# Altium PCB PMSM_LCP037_V0.3.PcbDoc (part 1 of 2)
Units mil, origin at the board's own origin, x right, y up, seen from the top; angles counter-clockwise.
Board outline 6102.36 x 5157.48 mil, 2 copper layers (Top Layer, Bottom Layer); 134 components, 72 nets, 340 pads, 815 vias.
Unrouted connection lines stored in the file: 2.
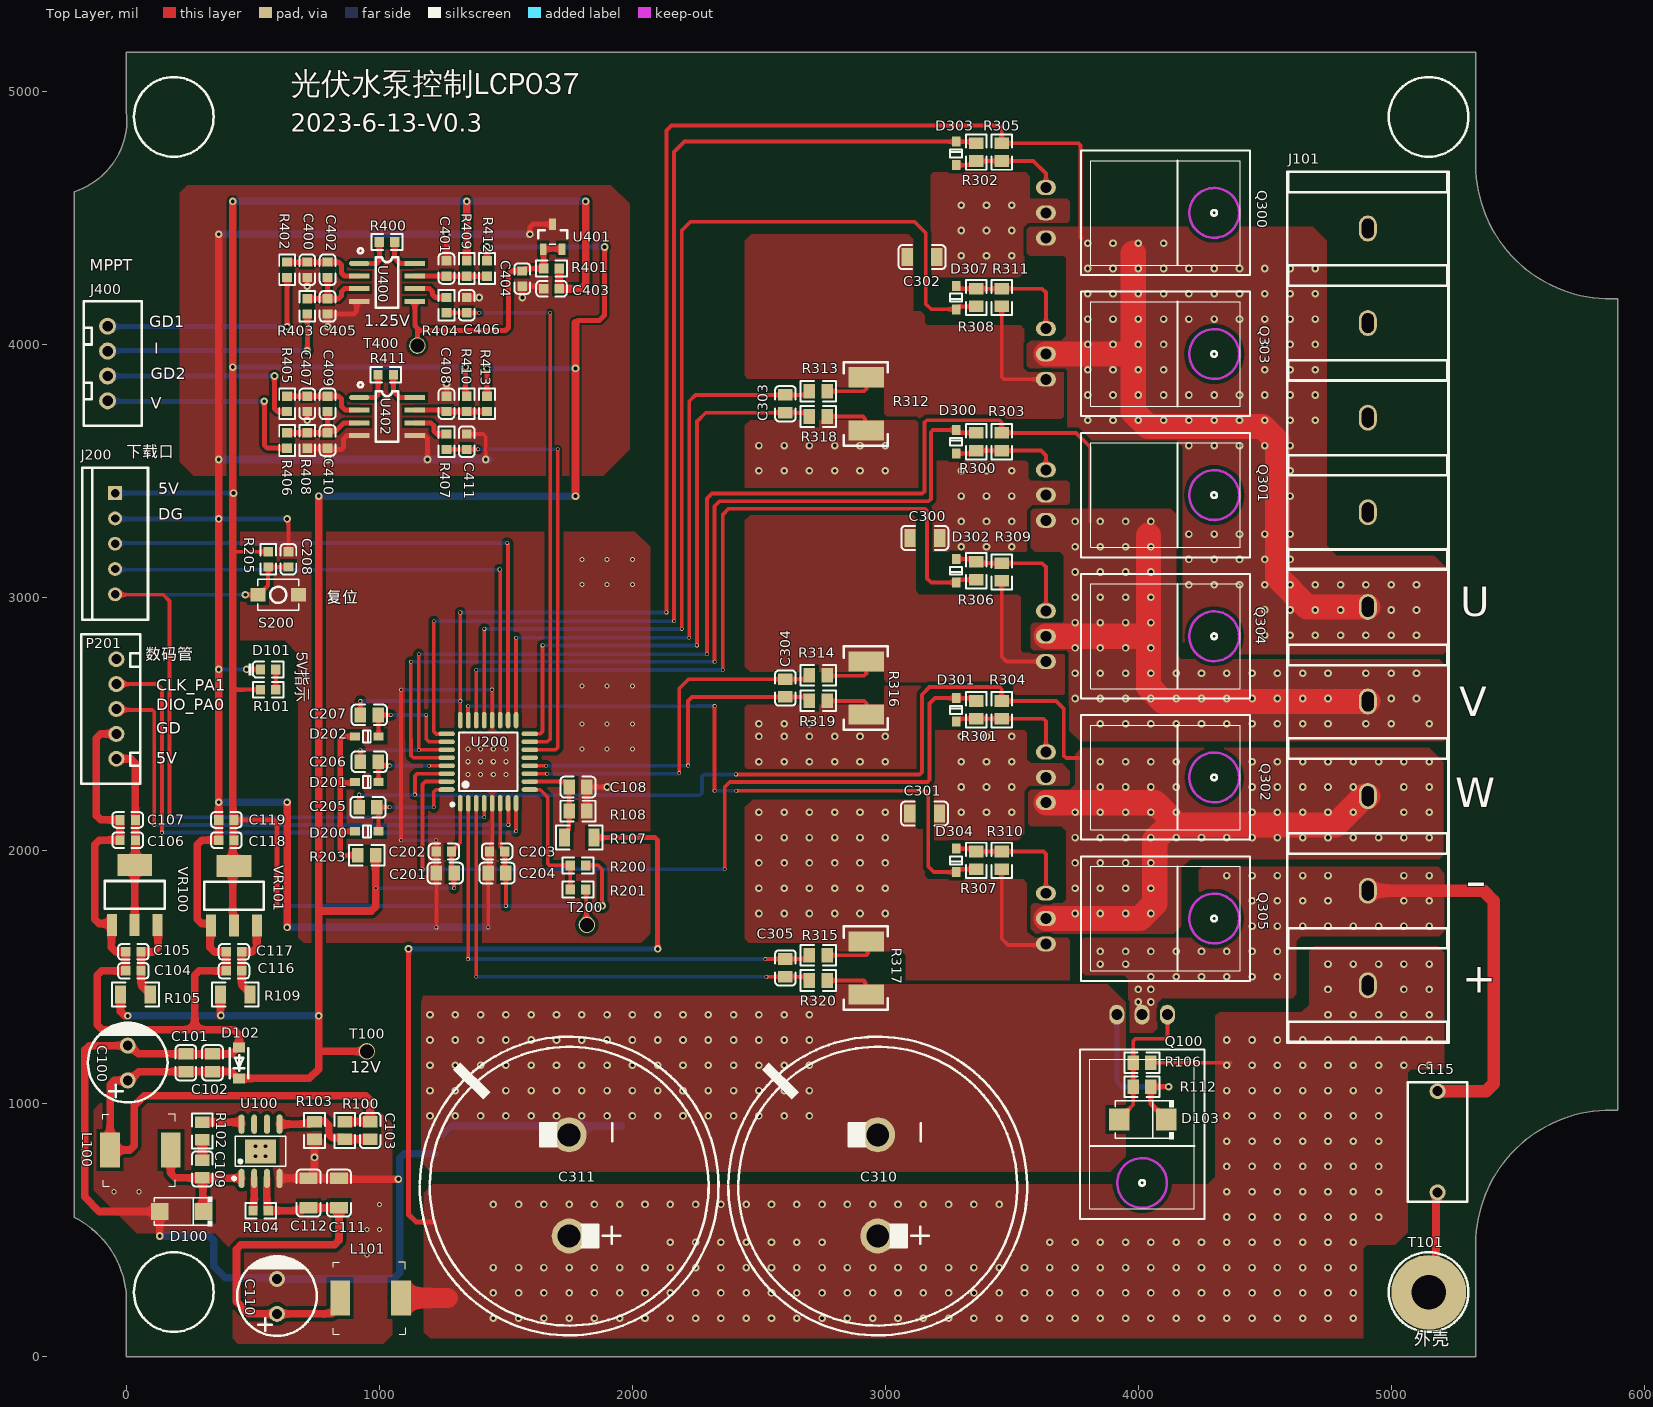
[diagram p0: Top Layer view]
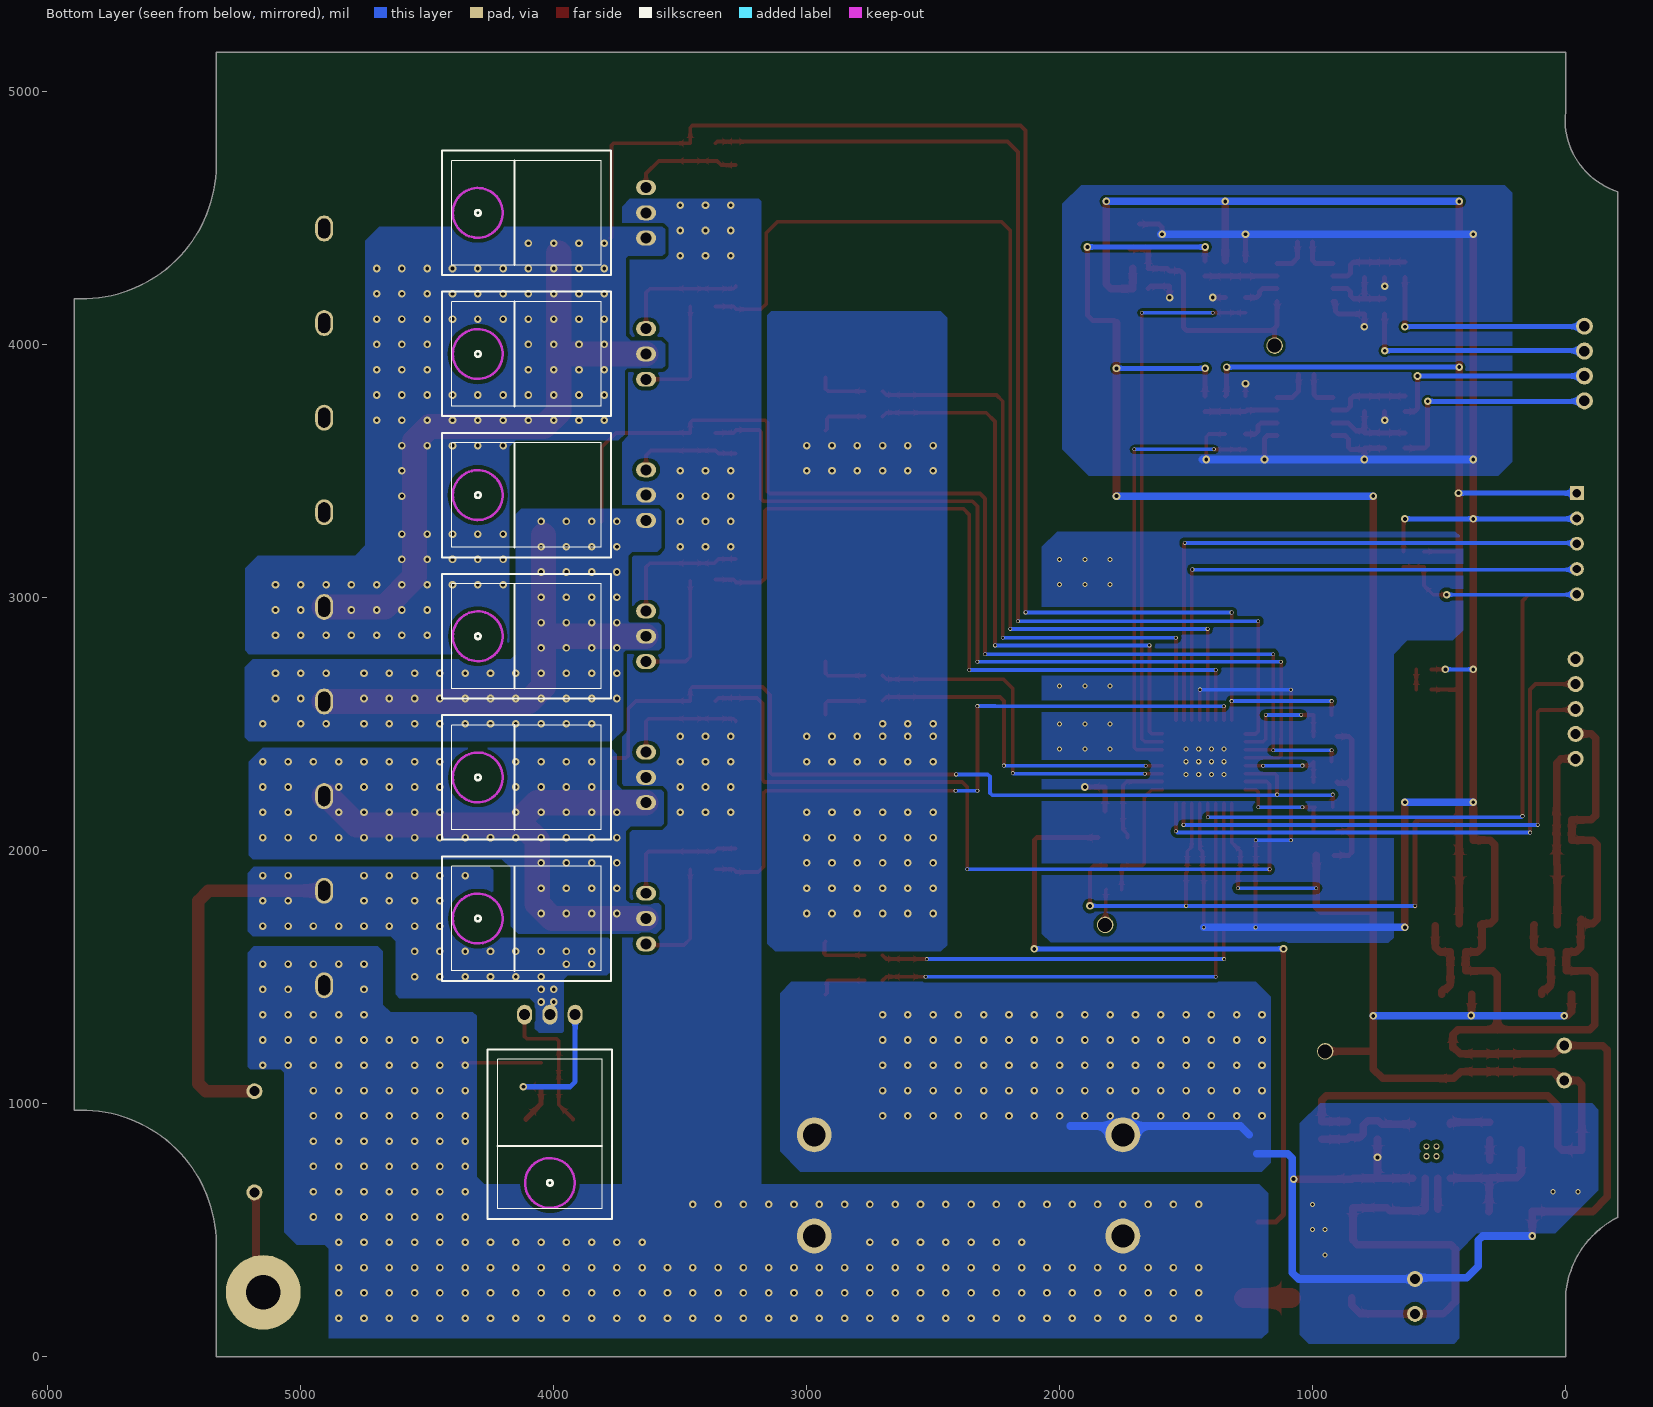
[diagram p1: Bottom Layer view, seen from below]
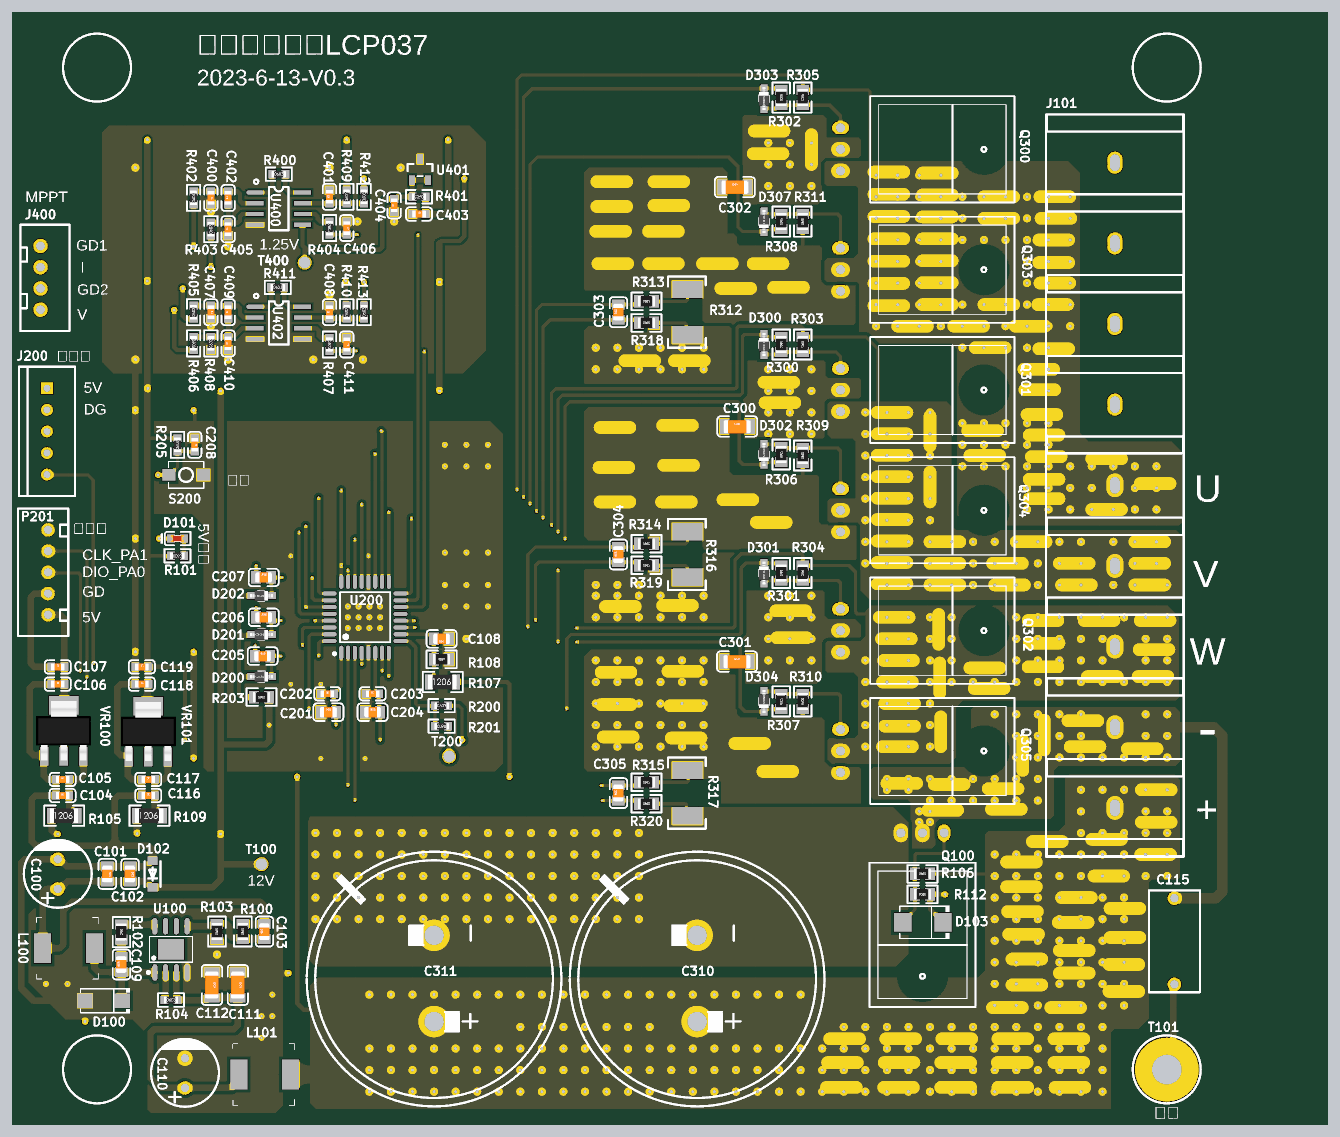
[diagram p3: 3D render of the assembled board from above, using the file's embedded part models]

## Layer stack, top to bottom
Top Solder: solder mask 0.4, Solder Resist, Dk 3.5
Top Layer: signal copper 1.4
Dielectric 1: dielectric 12.6, FR-4, Dk 4.8
Bottom Layer: signal copper 1.4
Bottom Solder: solder mask 0.4, Solder Resist, Dk 3.5

## Board outline
0,-2.48 0,233.74 ccw(c-374.92,213) -206.69,548.7 -206.69,4603.82 ccw(c-297.17,4888.49) 0,4918.78 0,5155 5334.65,5155 5334.65,4682.56 ccw(c5866.14,4712.09) 5895.67,4180.59 5895.67,971.93 ccw(c5866.14,440.43) 5334.65,469.96 5334.65,-2.48

## Design rules (kind name [scope] priority, off if disabled: settings)
Clearance [All] p1: gap=10 ignorepadtopadclearanceinfootprint=FALSE
ComponentClearance [All] p1: gap=0 collisioncheckmode=3 verticalgap=0 showdistances=FALSE
HoleSize [All] p1: absolutevalues=TRUE maxlimit=500 minlimit=1 maxpercent=80.000 minpercent=20.000
HoleToHoleClearance [All] p1: gap=0 allowstackedmicrovias=TRUE
MinimumSolderMaskSliver [All] p1: minsoldermaskwidth=0
PlaneConnect [All] p1: planeconnectstyle=Direct reliefexpansion=20 reliefentries=4 reliefconductorwidth=10 reliefairgap=10
PolygonConnect [All] p1: connectstyle=Direct reliefconductorwidth=10 reliefentries=4 polygonreliefangle="90 Angle" airgapwidth=10
RoutingVias [All] p1: holewidth=10 width=15 viastyle="Through Hole" minholewidth=10 minwidth=15 maxholewidth=500 maxwidth=500
SilkToSilkClearance [All] p1: silktosilkclearance=0
SilkToSolderMaskClearance [IsPad] p1: minsilkscreentomaskgap=0 clearancetoexposedcopper=TRUE
SolderMaskExpansion [All] p1: expansion=4 istentingtop=FALSE
Width [All] p1: maxlimit=500 minlimit=6 preferedwidth=10
23 further rules are at their usual default settings.

## Classes and differential pairs
component class 04_AD623: C400 C401 C402 C403 C404 C405 C406 C407 C408 C409 C410 C411 J400 R400 R401 R402 R403 R404 R405 R406 R407 R408 R409 R410 R411 R412 R413 T400 U400 U401 U402
component class 03_Mos: C300 C301 C302 C303 C304 C305 C310 C311 D300 D301 D302 D303 D304 D307 Q300 Q301 Q302 Q303 Q304 Q305 R300 R301 R302 R303 R304 R305 R306 R307 R308 R309 R310 R311 R312 R313 R314 R315 R316 R317 R318 R319 R320
component class 02_MCU: C201 C202 C203 C204 C205 C206 C207 C208 D200 D201 D202 J200 P201 R200 R201 R203 R205 S200 T200 U200
component class 01_Power: C100 C101 C102 C103 C104 C105 C106 C107 C108 C109 C110 C111 C112 C115 C116 C117 C118 C119 D100 D101 D102 D103 J101 L100 L101 Q100 R100 R101 R102 R103 R104 R105 R106 R107 R108 R109 R112 T100 T101 U100 VR100 VR101

## Components (designator, comment, footprint, x,y, rotation, side; value= is the part's Value field where it differs from the comment)
C100 "470uF/25V" 47UF/100V 5,1090 r90 top
C101 "22uF (226) 20% 25V" 0805_C 235,1160 r270 top
C102 "100nF(104) 10% 50V" 0805_C 340,1160 r270 top
C103 "47pF (470) 5% 50V" 0805_C 963.31,892.52 r90 top
C104 "100nF (104) 10% 50V" 0603_C 27.48,1523.31 r0 top
C105 "10uF (106) 10% 10V" 0603_C 27.48,1598.31 r0 top
C106 "100nF (104) 10% 50V" 0603_C 5,2040 r0 top
C107 "10uF (106) 10% 10V" 0603_C 5,2120 r0 top
C108 "100nF(104) 10% 50V" 0805_C 1785,2250 r180 top
C109 "100nF(104) 10% 50V" 0805_C 300,740 r90 top
C110 "47uF/100V" 47UF/100V 595,167.2 r90 top
C111 "2.2uF (225) 10% 50V" 1206_C 840,645 r270 top
C112 "100nF (104) 10% 50V" 1206_C 720,645 r270 top
C115 "2.2nF (222) 10% 50V" "X1/Y1 500V" 5183.31,1047.52 r270 top
C116 "100nF (104) 10% 50V" 0603_C 425,1523.31 r0 top
C117 "10uF (106) 10% 10V" 0603_C 425,1598.31 r0 top
C118 "100nF (104) 10% 50V" 0603_C 395,2040 r0 top
C119 "10uF (106) 10% 10V" 0603_C 395,2120 r0 top
C201 "10uF (106) 10% 25V" 0805_C 1259.96,1910 r0 top
C202 "100nF (104) 10% 50V" 0603_C 1255,1995 r0 top
C203 "100nF (104) 10% 50V" 0603_C 1465,1995 r0 top
C204 "10uF (106) 10% 25V" 0805_C 1465,1910 r0 top
C205 "10uF (106) 10% 25V" 0805_C 955,2170 r0 top
C206 "10uF (106) 10% 25V" 0805_C 959.88,2350 r0 top
C207 "10uF (106) 10% 25V" 0805_C 959.88,2535 r0 top
C208 "100nF (104) 10% 50V" 0603_C 640,3150 r270 top
C300 "100nF (104) 10% 100V" 1206_C 3156.34,3235 r0 top
C301 "100nF (104) 10% 100V" 1206_C 3155,2145 r0 top
C302 "100nF (104) 10% 100V" 1206_C 3145,4345 r0 top
C303 "100pF (101) 5% 50V" 0805_C 2605,3765 r90 top
C304 "100pF (101) 5% 50V" 0805_C 2605,2641.22 r90 top
C305 "100pF (101) 5% 50V" 0805_C 2605,1535 r90 top
C310 "1000uF/250V" 1000UF/250V 2970,475 r90 top
C311 "1000uF/250V" 1000UF/250V 1750,475 r90 top
C400 "1nF (102) 10% 50V" 0603_C 715,4295 r270 top
C401 "100nF (104) 10% 50V" 0603_C 1265,4300 r90 top
C402 "47nF (473) 10% 50V" 0603_C 795,4295 r90 top
C403 "100nF (104) 10% 50V" 0603_C 1680.31,4220 r0 top
C404 "100nF (104) 10% 50V" 0603_C 1565,4260 r90 top
C405 "1nF (102) 10% 50V" 0603_C 795,4150 r90 top
C406 "100nF (104) 10% 50V" 0603_C 1345,4155 r270 top
C407 "1nF (102) 10% 50V" 0603_C 715,3765 r270 top
C408 "100nF (104) 10% 50V" 0603_C 1265,3765 r90 top
C409 "47nF (473) 10% 50V" 0603_C 795,3765 r90 top
C410 "1nF (102) 10% 50V" 0603_C 795,3620 r90 top
C411 "100nF (104) 10% 50V" 0603_C 1345,3615 r270 top
D100 "SS310" SS310 215,570 r180 top
D101 "绿灯 0603" 0603_LED_S1 560,2715 r0 top
D102 "SMF12A" "SMF12A - DUPLICATE" 445,1097.95 r90 top
D103 "SMBJ18A" SMBJ18A 4110,935 r180 top
D200 "1N4148WS T4" SOD-323 950,2075 r180 top
D201 "1N4148WS T4" SOD-323 949.88,2270 r180 top
D202 "1N4148WS T4" SOD-323 949.88,2450 r180 top
D300 "1N4148WS T4" SOD-323 3280,3615 r270 top
D301 "1N4148WS T4" SOD-323 3280,2555.04 r270 top
D302 "1N4148WS T4" SOD-323 3280,3105 r90 top
D303 "1N4148WS T4" SOD-323 3280,4755 r270 top
D304 "1N4148WS T4" SOD-323 3280,1960 r90 top
D307 "1N4148WS T4" SOD-323 3280,4185 r90 top
J101 "CON9" "CON9 9.5MM" 4907.48,1466.02 r90 top locked
J200 "SWD-KF2510-5P" 2.54_5P_PHI -45,3411.85 r270 top
J400 "CON4" XH2.54-4P -75,4071.85 r90 top
L100 "47uH/0650" 0650_47UH 45,815 r180 top
L101 "47uH/0650" 0650_47UH 955,230 r180 top
P201 "Header 5" XH2.54-5P -40,2755.28 r270 top
Q100 "NCEP1570" NCEP1570 4015,1507.48 r180 top locked
Q300 "NCEP1570" NCEP1570 3477.52,4520 r270 top locked
Q301 "NCEP1570" NCEP1570 3477.52,3404 r270 top
Q302 "NCEP1570" NCEP1570 3477.52,2288 r270 top
Q303 "NCEP1570" NCEP1570 3477.52,3962 r270 top locked
Q304 "NCEP1570" NCEP1570 3477.52,2846 r270 top
Q305 "NCEP1570" NCEP1570 3477.52,1730 r270 top
R100 "330KΩ (3303) ±1%" 0805_R 863.31,892.52 r90 top
R101 "10KΩ (1002) ±1%" 0603_R 560,2635 r180 top
R102 "22Ω (22R0) ±1%" 0805_R 300,890 r90 top
R103 "23.7KΩ" 0805_R 743.31,892.52 r90 top
R104 "30mΩ ±1%" 0603_R 530,575 r0 top
R105 "200Ω (2000) ±1%" 1206_R 35,1430 r0 top
R106 "20KΩ (2002) ±1%" 0805_R 4015,1160 r0 top
R107 "24KΩ (2402) ±1%" 1206_R 1790,2050 r0 top
R108 "1KΩ (1001) ±1%" 0805_R 1785,2155 r180 top
R109 "200Ω (2000) ±1%" 1206_R 430,1430 r0 top
R112 "10KΩ (1002) ±1%" 0805_R 4015,1065 r180 top
R200 "1KΩ (1001) ±1%" 0603_R 1785,1940 r0 top
R201 "1KΩ (1001) ±1%" 0603_R 1785,1845 r180 top
R203 "1KΩ (1001) ±1%" 0805_R 950,1980 r180 top
R205 "10KΩ (1002) ±1%" 0603_R 560,3150 r90 top
R300 "51Ω (51R0) ±1%" 0805_R 3360,3615 r270 top
R301 "51Ω (51R0) ±1%" 0805_R 3360,2555.04 r270 top
R302 "51Ω (51R0) ±1%" 0805_R 3360,4760 r270 top
R303 "100KΩ (1003) ±1%" 0805_R 3460,3615 r270 top
R304 "100KΩ (1003) ±1%" 0805_R 3460,2555.04 r270 top
R305 "100KΩ (1003) ±1%" 0805_R 3460,4760 r270 top
R306 "51Ω (51R0) ±1%" 0805_R 3360,3105 r90 top
R307 "51Ω (51R0) ±1%" 0805_R 3360,1960 r90 top
R308 "51Ω (51R0) ±1%" 0805_R 3360,4185 r90 top
R309 "100KΩ (1003) ±1%" 0805_R 3460,3100 r90 top
R310 "100KΩ (1003) ±1%" 0805_R 3460,1960 r90 top
R311 "100KΩ (1003) ±1%" 0805_R 3460,4185 r90 top
R312 "10mR 2512" R2512 2965,3790 r90 top
R313 "68Ω (68R0) ±1%" 0805_R 2735,3815 r0 top
R314 "68Ω (68R0) ±1%" 0805_R 2735,2691.22 r0 top
R315 "68Ω (68R0) ±1%" 0805_R 2735,1585 r0 top
R316 "10mR 2512" R2512 2965,2666.22 r90 top
R317 "10mR 2512" R2512 2965,1559.53 r90 top
R318 "68Ω (68R0) ±1%" 0805_R 2735,3715 r0 top
R319 "68Ω (68R0) ±1%" 0805_R 2735,2591.22 r0 top
R320 "68Ω (68R0) ±1%" 0805_R 2735,1485 r0 top
R400 "5.1KΩ (5101) ±1%" 0603_R 1030,4405 r0 top
R401 "220Ω (2200) ±1%" 0603_R 1680.32,4300 r180 top
R402 "1KΩ (1001) ±1%" 0603_R 635,4295 r90 top
R403 "1KΩ (1001) ±1%" 0603_R 715,4150 r90 top
R404 "100Ω (1000) ±1%" 0603_R 1265,4155 r270 top
R405 "1KΩ (1001) ±1%" 0603_R 635,3765 r90 top
R406 "20KΩ (2002) ±1%" 0603_R 635,3620 r270 top
R407 "100Ω (1000) ±1%" 0603_R 1265,3615 r270 top
R408 "1KΩ (1001) ±1%" 0603_R 715,3620 r90 top
R409 "0Ω (0R0) ±1%" 0603_R 1345,4300 r90 top
R410 "0Ω (0R0) ±1%" 0603_R 1345,3765 r90 top
R411 "0Ω (0R0) ±1%" 0603_R 1025,3880 r0 top
R412 "0Ω (0R0) ±1%" 0603_R 1425,4300 r90 top
R413 "0Ω (0R0) ±1%" 0603_R 1425,3765 r90 top
S200 "KEY" 按键3*4 519.76,3010 r0 top
T100 "Test" TESTPOINT 950,1205 r90 top
T101 "Test" 接地螺丝孔 5148.31,252.52 r0 top
T200 "Test" TESTPOINT 1820,1705 r90 top
T400 "Test" Testpoint 1150,3995 r90 top
U100 "TX4139" ESOP8 455,702.89 r0 top
U200 "LCP037BK32ET8" LQFP32 1330,2250 r270 top
U400 "AD623ARZ" SOIC8 925,4320 r0 top
U401 "ME432" ME432 1647.6,4376.6 r270 top
U402 "AD623ARZ" SOIC8 925,3790 r0 top
VR100 "AMS1117-5.0" SOT-223 32.48,1823.31 r270 top
VR101 "AMS1117-5.0" SOT-223 425,1820 r270 top

## Footprints (in the part's own frame and the unit in brackets; to place one, negate y for a bottom-side part, rotate by r counter-clockwise, add the part's x,y. Pads: shape width x height; smd on the part's side, far side on the other; paste and mask are expansions set on the pad)
2.54_5P_PHI [mil]
  rect 55x55 hole 33: 1(0,0)
  round 55 hole 33: 2(100,0) 3(200,0) 4(300,0) 5(400,0)
  silkscreen extent -100,-130 500,130
47UF/100V [mm] "8*14"
  round 1.6 hole 1: 1(0,0) 2(3.5,0)
  silkscreen extent -2.21,-4 5.79,4
0603_C [mm]
  rect 0.93x0.98 smd: 1(-0.77,0) 2(0.77,0)
  silkscreen extent -1.53,-0.79 1.54,0.79, body extent -0.8,-0.4 0.8,0.4, height 0.3
0603_LED_S1 [mm]
  rect 0.93x0.98 smd: A(0.77,0) K(-0.77,0)
  silkscreen extent -1.97,-0.79 1.54,0.79, body extent -0.8,-0.4 0.8,0.4, height 0.6
0603_R [mm]
  rect 0.93x0.98 smd: 1(-0.77,0) 2(0.77,0)
  silkscreen extent -1.53,-0.79 1.54,0.79, body extent -0.85,-0.4 0.85,0.4, height 0.56
0650_47UH [mm]
  rect 2x3.5 smd: 1(-3.302,0) 2(2.794,0)
  silkscreen extent -3.76,-3.62 3.52,3.62
0805_C [mm]
  rect 1.16x1.47 smd: 1(-0.89,0) 2(0.89,0)
  silkscreen extent -1.77,-1.04 1.77,1.04, body extent -1,-0.62 1,0.63, height 0.77
0805_R [mm]
  rect 1.16x1.47 smd: 1(-0.89,0) 2(0.89,0)
  silkscreen extent -1.77,-1.04 1.77,1.03, body extent -1,-0.62 1,0.63, height 0.49
1000UF/250V [mm]
  round 3.5 hole 2.3: 1(0,0) 2(10.16,0)
  silkscreen extent -9.99,-15 20.01,15
1206_C [mm]
  rect 1.13x1.8 smd: 1(-1.49,0) 2(1.49,0)
  silkscreen extent -2.36,-1.2 2.35,1.2, body extent -1.6,-0.81 1.6,0.79, height 1
1206_R [mm]
  rect 1.13x1.8 smd: 1(-1.49,0) 2(1.49,0)
  silkscreen extent -2.36,-1.2 2.35,1.2, body extent -1.7,-0.86 1.65,0.87, height 0.85
"CON9 9.5MM" [mm]
  oval 2.6x1.8 hole 1.2 slot 2 at 0 deg: 1(0,0) 2(9.5,0) 3(19,0) 4(28.5,0) 5(38,0) 6(47.5,0) 7(57,0) 8(66.5,0) 9(76,0)
  silkscreen extent -5.75,-8.1 81.69,8.1
ESOP8 [mm]
  oval 0.602x1.941 smd: 1(0,0) 2(1.27,0) 3(2.54,0) 4(3.81,0) 5(3.81,5.441) 6(2.54,5.441) 7(1.27,5.441) 8(0,5.441)
  rect 3.098x2.41 smd: 9(1.905,2.72)
  silkscreen extent -0.9,-0.15 4.43,4.24
LQFP32 [mm]
  oval 1.65x0.48 smd: 1(1.635,-0.26) 2(1.635,0.54) 3(1.635,1.34) 4(1.635,2.14) 5(1.635,2.94) 6(1.635,3.74) 7(1.635,4.54) 8(1.635,5.34) 17(-6.715,5.34) 18(-6.715,4.54) 19(-6.715,3.74) 20(-6.715,2.94) 21(-6.715,2.14) 22(-6.715,1.34) 23(-6.715,0.54) 24(-6.715,-0.26)
  oval 0.48x1.65 smd: 9(0.26,6.715) 10(-0.54,6.715) 11(-1.34,6.715) 12(-2.14,6.715) 13(-2.94,6.715) 14(-3.74,6.715) 15(-4.54,6.715) 16(-5.34,6.715) 25(-5.34,-1.635) 26(-4.54,-1.635) 27(-3.74,-1.635) 28(-2.94,-1.635) 29(-2.14,-1.635) 30(-1.34,-1.635) 31(-0.54,-1.635) 32(0.26,-1.635)
  silkscreen extent -5.49,-1.21 1.91,5.49
ME432 [mm]
  rect 1.15x0.7 smd: 1(0,0) 2(-2.499,0.95) 3(0,1.9)
  silkscreen extent -1.9,-0.51 -0.49,2.41
NCEP1570 [mm]
  oval 1.5x2 hole 1.1: 1(-2.54,4) 2(0,4) 3(2.54,4)
  Keep-Out Layer circle w0.254: c0,20.9 r2.5
  silkscreen extent -6.25,7.5 6.25,24.5
R2512 [mil]
  rect 80x140 smd: 1(-130,40) 2(80,40)
  silkscreen extent -190,-45 140,130
SMBJ18A [mil] "DO-214AA"
  rect 80.61x86.31 smd: 1(0,0) 2(185.89,0)
  silkscreen extent -30,-77 201,77
"SMF12A - DUPLICATE" [mm] "SOD123F"
  rect 1x1.2 smd: 1(0,0) 2(3.1,0)
  silkscreen extent 0.03,-0.93 3.04,0.95
SOD-323 [mm]
  rect 1x0.83 smd: 1(1.18,0) 2(-1.18,0)
  silkscreen extent -0.4,-0.6 0.4,0.6, body extent -1.35,-0.62 1.35,0.63, height 1.1
SOIC8 [mil]
  oval 80x20 smd: 1(-5,0)
  rect 80x20 smd: 2(-5,-50) 3(-5,-100) 4(-5,-150) 5(215,-150) 6(215,-100) 7(215,-50) 8(215,0)
  silkscreen extent -10,-175 150,60
SOT-223 [mm]
  rect 2.2x1 smd: 1(3,-2.3) 2(3,0) 3(3,2.3)
  rect 2.2x3.5 smd: 2(-3,0)
  silkscreen extent -1.4,-3 1.4,3, body extent -3.49,-3.24 3.49,3.24, height 1.64
SS310 [mm]
  rect 1.8x1.7 smd paste+0 mask+0.051: 1(-2.26,-0.047) 2(2.125,-0.047)
  silkscreen extent -3.17,-1.52 2.66,1.43
TESTPOINT [mil]
  round 65 hole 55: 1(0,0)
Testpoint [mil]
  round 65 hole 55: 1(0,0)
"X1/Y1 500V" [mm]
  round 1.6 hole 1: 1(0,0) 2(10.16,0)
  silkscreen extent -0.92,-3 11.08,3
XH2.54-4P [mm]
  round 1.7 hole 1.05: 1(0,0) 2(-2.5,0) 3(-5,0) 4(-7.5,0)
  silkscreen extent -10,-3.42 2.5,2.37
XH2.54-5P [mm]
  round 1.6 hole 1 paste+0 mask+0.05: 1(0,0) 2(2.5,0) 3(5,0) 4(7.5,0) 5(10,0)
  silkscreen extent -2.5,-3.53 12.5,2.38
按键3*4 [mm]
  rect 1.53x1.36 smd: 1(0,0) 2(4.07,0)
  silkscreen extent -0.04,-1.58 4.11,1.58
接地螺丝孔 [mm]
  round 7.5 hole 3.5: 6(0,0)

## Part data
C100 C110: library part CapSMT220u_16V, =220uF/16V
C101: library part "0805 22uF (226) 20% 25V", "贴片电容", Package=0805, SuppliersPartNumber=C45783, ComponentLink1Description=供应商链接, ComponentLink1URL=http://www.szlcsc.com/product/details_46786.html, Supplier=LC
C102 C108 C109: library part "0805 100nF(104) 10% 50V", "贴片电容", Package=0805, SuppliersPartNumber=C49678, ComponentLink1Description=供应商链接, ComponentLink1URL=http://www.szlcsc.com/product/details_50686.html, Supplier=LC
C103: library part "0805 47pF (470) 5% 50V", "贴片电容", Package=0805, SuppliersPartNumber=C14857, ComponentLink1Description=供应商链接, ComponentLink1URL=http://www.szlcsc.com/product/details_15529.html, Supplier=LC
C104 C106 C116 C118 C202 C203 C208 C401 C403 C404 C406 C408 C411: library part "0603 100nF (104) 10% 50V", "贴片电容", Package=0603, SuppliersPartNumber=C14663, ComponentLink1Description=供应商链接, ComponentLink1URL=http://www.szlcsc.com/product/details_15331.html, Supplier=LC
C105 C107 C117 C119: library part "0603 10uF (106) 10% 10V", "贴片电容", Package=0603, SuppliersPartNumber=C19702, ComponentLink1Description=供应商链接, ComponentLink1URL=http://www.szlcsc.com/product/details_20411.html, Supplier=LC
C111: library part "1206 2.2uF (225) 10% 50V", "贴片电容", Package=1206, SuppliersPartNumber=C12656, ComponentLink1Description=供应商链接, ComponentLink1URL=http://www.szlcsc.com/product/details_13292.html, Supplier=LC
C112 C300 C301 C302: library part "1206 100nF (104) 10% 50V", "贴片电容", Package=1206, SuppliersPartNumber=C24497, ComponentLink1Description=供应商链接, ComponentLink1URL=http://www.szlcsc.com/product/details_25237.html, Supplier=LC
C115: library part "0603 2.2nF (222) 10% 50V", "贴片电容", Package=0603, SuppliersPartNumber=C1604, ComponentLink1Description=供应商链接, ComponentLink1URL=http://www.szlcsc.com/product/details_1956.html, Supplier=LC
C201 C204 C205 C206 C207: library part "0805 10uF (106) 10% 25V", "贴片电容", Package=0805, SuppliersPartNumber=C15850, ComponentLink1Description=供应商链接, ComponentLink1URL=http://www.szlcsc.com/product/details_16532.html, Supplier=LC
C303 C304 C305: library part "0805 100pF (101) 5% 50V", "贴片电容", Package=0805, SuppliersPartNumber=C1790, ComponentLink1Description=供应商链接, ComponentLink1URL=http://www.szlcsc.com/product/details_2142.html, Supplier=LC
C310 C311: library part CAP2, "电解电容"
C400 C405 C407 C410: library part "0603 1nF (102) 10% 50V", "贴片电容", Package=0603, SuppliersPartNumber=C1588, ComponentLink1Description=供应商链接, ComponentLink1URL=http://www.szlcsc.com/product/details_1940.html, Supplier=LC
C402 C409: library part "0603 47nF (473) 10% 50V", "贴片电容", Package=0603, SuppliersPartNumber=C1622, ComponentLink1Description=供应商链接, ComponentLink1URL=http://www.szlcsc.com/product/details_1974.html, Supplier=LC
D101: library part "0603 绿灯", "发光二极管", Package=0603, SuppliersPartNumber=C72043, ComponentLink1Description=供应商链接, ComponentLink1URL=http://www.szlcsc.com/product/details_73152.html, Supplier=LC
D103: library part 1N4746A
D200 D201 D202 D300 D301 D302 D303 D304 D307: library part "SOD-323 1N4148WS T4", "二极管", Package=SOD-323, SuppliersPartNumber=C2128, ComponentLink1Description=供应商链接, ComponentLink1URL=http://www.szlcsc.com/product/details_2485.html, Supplier=LC
J200: library part ST-LINK-SWD
L100 L101: library part Inductor
P201: "Header, 5-Pin", LatestRevisionDate=17-Jul-2002, LatestRevisionNote="Re-released for DXP Platform.", Publisher="Altium Limited"
Q100 Q300 Q301 Q302 Q303 Q304 Q305: library part IRFB4127PBF
R100: library part "0805 330KΩ (3303) 1%", "贴片电阻", Package=0805, SuppliersPartNumber=C17629, ComponentLink1Description=供应商链接, ComponentLink1URL=http://www.szlcsc.com/product/details_18317.html, Supplier=LC
R101 R205: library part "0603 10KΩ (1002) 1%", "贴片电阻", Package=0603, SuppliersPartNumber=C25804, ComponentLink1Description=供应商链接, ComponentLink1URL=http://www.szlcsc.com/product/details_26547.html, Supplier=LC
R102 R103: library part "0805 22Ω (22R0) 1%", "贴片电阻", Package=0805, SuppliersPartNumber=C17561, ComponentLink1Description=供应商链接, ComponentLink1URL=http://www.szlcsc.com/product/details_18249.html, Supplier=LC
R104: library part "0603 100KΩ (1003) 1%", "贴片电阻", Package=0603, SuppliersPartNumber=C25803, ComponentLink1Description=供应商链接, ComponentLink1URL=http://www.szlcsc.com/product/details_26546.html, Supplier=LC
R105 R109: library part "1206 300Ω (3000) 1%", "贴片电阻", Package=1206, SuppliersPartNumber=C17887, ComponentLink1Description=供应商链接, ComponentLink1URL=http://www.szlcsc.com/product/details_18575.html, Supplier=LC
R106: library part "0805 20KΩ (2002) 1%", "贴片电阻", Package=0805, SuppliersPartNumber=C4328, ComponentLink1Description=供应商链接, ComponentLink1URL=http://www.szlcsc.com/product/details_4735.html, Supplier=LC
R107: library part "1206 0Ω (0R0) 1%", "贴片电阻", Package=1206, SuppliersPartNumber=C17888, ComponentLink1Description=供应商链接, ComponentLink1URL=http://www.szlcsc.com/product/details_18576.html, Supplier=LC
R108 R203: library part "0805 1KΩ (1001) 1%", "贴片电阻", Package=0805, SuppliersPartNumber=C17513, ComponentLink1Description=供应商链接, ComponentLink1URL=http://www.szlcsc.com/product/details_18201.html, Supplier=LC
R112: library part "0805 10KΩ (1002) 1%", "贴片电阻", Package=0805, SuppliersPartNumber=C17414, ComponentLink1Description=供应商链接, ComponentLink1URL=http://www.szlcsc.com/product/details_18102.html, Supplier=LC
R200 R201 R402 R403 R405 R408: library part "0603 1KΩ (1001) 1%", "贴片电阻", Package=0603, SuppliersPartNumber=C21190, ComponentLink1Description=供应商链接, ComponentLink1URL=http://www.szlcsc.com/product/details_21904.html, Supplier=LC
R300 R301 R302 R306 R307 R308: library part "0805 51Ω (51R0) 1%", "贴片电阻", Package=0805, SuppliersPartNumber=C17738, ComponentLink1Description=供应商链接, ComponentLink1URL=http://www.szlcsc.com/product/details_18426.html, Supplier=LC
R303 R304 R305 R309 R310 R311: library part "0805 100KΩ (1003) 1%", "贴片电阻", Package=0805, SuppliersPartNumber=C17407, ComponentLink1Description=供应商链接, ComponentLink1URL=http://www.szlcsc.com/product/details_18095.html, Supplier=LC
R312 R316 R317: library part Res10K
R313 R314 R315 R318 R319 R320: library part "0805 68Ω (68R0) 1%", "贴片电阻", Package=0805, SuppliersPartNumber=C17802, ComponentLink1Description=供应商链接, ComponentLink1URL=http://www.szlcsc.com/product/details_18490.html, Supplier=LC
R400: library part "0603 5.1KΩ (5101) 1%", "贴片电阻", Package=0603, SuppliersPartNumber=C23186, ComponentLink1Description=供应商链接, ComponentLink1URL=http://www.szlcsc.com/product/details_23913.html, Supplier=LC
R401: library part "0603 220Ω (2200) 1%", "贴片电阻", Package=0603, SuppliersPartNumber=C22962, ComponentLink1Description=供应商链接, ComponentLink1URL=http://www.szlcsc.com/product/details_23689.html, Supplier=LC
R404 R407: library part "0603 100Ω (1000) 1%", "贴片电阻", Package=0603, SuppliersPartNumber=C22775, ComponentLink1Description=供应商链接, ComponentLink1URL=http://www.szlcsc.com/product/details_23502.html, Supplier=LC
R406: library part "0603 20KΩ (2002) 1%", "贴片电阻", Package=0603, SuppliersPartNumber=C4184, ComponentLink1Description=供应商链接, ComponentLink1URL=http://www.szlcsc.com/product/details_4591.html, Supplier=LC
R409 R410 R411 R412 R413: library part "0603 0Ω (0R0) 1%", "贴片电阻", Package=0603, SuppliersPartNumber=C21189, ComponentLink1Description=供应商链接, ComponentLink1URL=http://www.szlcsc.com/product/details_21903.html, Supplier=LC
T100 T101 T200 T400: library part TestPad
U200: library part LCP037BT32EU8
U400 U402: library part AD623
U401: library part "CJ431 0.5%431", "电压基准", Package=SOT-23, SuppliersPartNumber=C3113, ComponentLink1Description=供应商链接, ComponentLink1URL=http://www.szlcsc.com/product/details_3500.html, Supplier=LC
VR100 VR101: library part "SOT-223 AMS1117-5.0", "低压差线性稳压(LDO)", Package=SOT-223, SuppliersPartNumber=C6187, ComponentLink1Description=供应商链接, ComponentLink1URL=http://www.szlcsc.com/product/details_6653.html, Supplier=LC

## Via types
v1: diameter 30, hole 15, Top Layer to Bottom Layer, 713 vias
v2: diameter 15, hole 10, Top Layer to Bottom Layer, 65 vias
v3: diameter 20, hole 12, Top Layer to Bottom Layer, 33 vias
v4: diameter 24, hole 15, Top Layer to Bottom Layer, 4 vias

## Nets (pads, with @x,y where several pads share a name; then routed paths per layer and width w, separated by ;. In a path a pad name is that pad's centre, name@x,y a point inside that pad or via, vN(x,y) a via of type N, cw(c..) or ccw(c..) an arc to the next point about the centre after c; other vN are vias at no path point)
5V: C106.2 C107.2 P201.5 VR100.2 | length 722.6
  Top Layer w30: P201.5@-40,2361.57 17.74,2361.57 35.32,2344 C107.2@35.32,2120 C106.2@35.32,2040 35.32,1944.25 VR100.2@32.48,1941.42 VR100.2@32.48,1705.2
5VDD: C118.2 C119.2 C203.2 C204.2 C403.2 J200.1 R101.2 R200.2 R205.2 R401.1 R409.2 R410.2 U200.6 VR101.2 | length 9177.4
  Top Layer w15: 420.32,2635 R101.2@529.68,2635 ; 420.32,3180 420.63,3180.32 R205.2@560,3180.32 ; U200.6@1477.24,2185.63 1477.24,2014.06 1495.31,1995.98 C203.2@1495.31,1995 1495.31,1914.72 C204.2@1500.04,1910 v2(1500.04,1780.04) v2(1500.04,1780.04) ; R200.2@1815.32,1940 1865,1940 1869.99,1935.01 1880,1925 v1(1880,1780)
  Top Layer w20: C119.2@425.32,2120 583.28,2120 595,2108.28 v2(595,1780) ; v1(1340,3910) 1340,3800.32 R410.2@1345,3795.32
  Top Layer w30: VR101.2@420,1710 420,1946.22 420.32,1946.54 420.32,2635 420.32,3180 420.32,4564.68 v1(420,4565) ; R409.2@1345,4330.32 v1(1345,4565) ; R401.1@1710.63,4300 C403.2@1710.63,4220 1797.43,4220 1815,4237.57 v1(1815,4565)
  Bottom Layer w15: v2(595,1780) v2(595,1780) v2(1500.04,1780.04) 1876.67,1780.04 v1@1877.52,1779.2
  Bottom Layer w20: J200.1@-45,3411.85 v1(423.15,3411.85) v1@425,3410 ; v1(420,3910) v1(1340,3910)
  Bottom Layer w30: v1(420,4565) v1(1345,4565) v1(1815,4565)
12VDD: C100.1 C101.2 C102.2 C103.2 C201.2 C202.2 D102.1 L100.2 R100.2 R105.1 R109.1 R203.1 R412.2 R413.2 T100.1 U200.1 | length 10097.3
  Top Layer w15: v2(1295,1850) C201.2@1295,1910 1285.31,1919.69 C202.2@1285.31,1995 1285.31,1995.98 1319.76,2030.43 U200.1@1319.76,2185.63
  Top Layer w20: R413.2@1425,3795.32 v1(1425,3905) ; R412.2@1425,4330.32 v1(1425,4385) ; 1775,4085 1785,4095 1870,4095 1890,4115 v1(1890,4385)
  Top Layer w30: R105.1@-23.66,1430 -23.66,1362.57 v1@-6.09,1345 ; v1@371.34,1348.66 R109.1@371.34,1430 ; v1(760,3400) 760,1755 ; R100.2@863.31,927.56 C103.2@963.31,927.56 963.31,1011.69 945,1030 70,1030 30,990 30,832.57 12.43,815 L100.2@-65,815 -65,1072.43 -47.43,1090 C100.1@5,1090 13.93,1090 48.89,1124.96 C101.2@235,1124.96 C102.2@340,1124.96 414.06,1124.96 441.06,1097.95 D102.1@445,1097.95 722.95,1097.95 760,1135 760,1215 ; T100.1@950,1205 770,1205 760,1215 ; R203.1@985.04,1980 985.04,1777.57 967.47,1760 765,1760 760,1755 ; v1(1775,3400) v1(1775,3905) 1775,4085 ; 760,1215 v1(760,1345) 760,1755
  Bottom Layer w15: v2(985,1850) v2(1295,1850)
  Bottom Layer w20: v1(1425,3905) v1(1775,3905) ; v1(1425,4385) v1(1890,4385)
  Bottom Layer w30: v1(5,1345) v1(760,1345) ; v1(760,3400) v1(1775,3400)
  other v1: 373.17,1346.83
ADC1-V: C411.2 R407.2 U200.14 | length 1733.4
  Top Layer w15: R407.2@1265,3584.68 C411.2@1345,3584.68 1389.69,3584.68 v2(1390,3585) ; U200.14@1594.37,2397.24 1696.21,2397.24 1705,2406.03 v2(1705,3585)
  Bottom Layer w15: v2(1390,3585) v2(1705,3585)
ADC2-I: C406.2 R404.2 U200.15 | length 2180.1
  Top Layer w15: R404.2@1265,4124.68 C406.2@1345,4124.68 v2(1394.69,4124.68) ; U200.15@1594.37,2428.74 1663.74,2428.74 1675,2440 v2@1675,4124.68
  Bottom Layer w15: v2(1394.69,4124.68) 1674.69,4124.68 v2(1675,4125)
DGND: C100.2 C101.1 C102.1 C104.1 C105.1 C106.1 C107.1 C108.1 C110.2 C111.1 C112.1 C116.1 C117.1 C118.1 C119.1 C201.1 C202.1 C203.1 C204.1 C208.1 C310.2 C311.2 C400.2 C401.2 C403.1 C404.1 C405.1 C406.1 C407.2 C408.2 C410.1 C411.1 D100.2 D101.K D102.2 D103.1 J200.2 P201.4 Q100.3 R103.1 R108.1 R112.1 R317.1 R320.2 R408.1 S200.2 U100.4 U200.5 U200.20 U400.4 U401.2 U402.4 U402.5 VR100.1 VR101.1 | length 19694.7
  Top Layer w15: v1(475,2715) D101.K@529.69,2715 ; C208.1@640,3180.31 640,3285 640,3303.65 v1@635.96,3307.69 ; v2@1085,2635 v2(1085.31,2634.69) v2(1085.31,2039.69) ; v2(1225,1695) 1225,1909.92 C201.1@1224.92,1910 1224.69,1910.24 C202.1@1224.69,1995 v2(1224.69,2039.69) v2@1225,2040 ; C408.2@1265,3795.32 v1(1265,3845) ; C411.1@1345,3645.32 1409.69,3645.32 1420,3635 v1(1420,3545) ; v2(1429.96,1695.04) v2(1429.96,1695.04) C204.1@1429.96,1910 1434.69,1914.72 C203.1@1434.69,1995 1445,2005.31 1445,2035 1445.75,2035.75 U200.5@1445.75,2185.63 ; v2(1445,2635) 1445.75,2634.25 U200.20@1445.75,2514.37 ; R320.2@2770.04,1485 2915,1485 2920,1480 2920,1434.53 R317.1@2925,1429.53 ; v1@635.96,3307.69 635,3308.65 v1(635,3310) 635.96,3309.04 v1@635.96,3307.69
  Top Layer w20: R408.1@715,3589.69 C410.1@795,3589.68 ; v1(715,3700) C407.2@715,3734.68 ; v1(715,4230) C400.2@715,4264.68 ; v1(795,3545) C410.1@795,3589.68 ; v1(795,4070) C405.1@795,4119.68 898.28,4119.68 910,4131.4 910,4170 U400.4@920,4170 ; U402.4@920,3640 872.18,3640 858.59,3626.41 858.59,3593.79 849.8,3585 799.68,3585 C410.1@795,3589.68 ; U402.5@1140,3640 1178.28,3640 1190,3628.28 v1(1190,3545) ; C401.2@1265,4330.32 v1(1265,4435) ; C406.1@1345,4185.32 v1(1394.69,4185.32) v1@1395,4185 ; v1(1565,4185) C404.1@1565,4229.68 1641.3,4229.68 1650,4220.98 C403.1@1650,4220 ; v1(1595,4435) 1595,4463.28 1606.72,4475 U401.2@1685,4475 ; R108.1@1820.04,2155 C108.1@1820.04,2250 v1(1900,2250) ; D103.1@4110,935 4110,937.85 4050.04,997.81 R112.1@4050.04,1065 v1(4120,1065)
  Top Layer w30: VR100.1@-62.76,1727.57 VR100.1@-60,1724.82 ; VR100.1@-58.07,1705.2 VR100.1@-60,1707.13 ; P201.4@-40,2460 -102.43,2460 -120,2442.43 -120,2137.57 -102.43,2120 C107.1@-25.32,2120 C106.1@-25.32,2040 -107.43,2040 -125,2022.43 -125,1727.57 -107.43,1710 -62.76,1710 -62.76,1709.88 VR100.1@-60,1707.13 ; v1(131.56,475) 131.35,475.2 D100.2@131.35,571.83 -106.83,571.83 -165,630 -165,1210.23 -147.43,1227.8 C100.2@5,1227.8 13.93,1227.8 46.69,1195.04 C101.1@235,1195.04 C102.1@340,1195.04 416.1,1195.04 441.06,1220 D102.2@445,1220 445,1270 425,1290 270,1290 ; v1(365,4435) 364.68,4434.68 C119.1@364.68,2120 C118.1@364.68,2040 297.57,2040 280,2022.43 280,1727.57 297.57,1710 329.76,1710 334.45,1705.31 VR101.1@334.45,1701.89 330,1697.44 330,1615.88 347.57,1598.31 C117.1@394.68,1598.31 C116.1@394.68,1523.31 287.57,1523.31 270,1505.73 270,1290 ; U100.4@605,702.89 605.38,703.28 839.62,703.28 C111.1@840,703.66 843.66,700 v1(1075,700) ; v1(635,1695) v1(635,2190) ; C112.1@720,703.66 733.19,703.66 743.31,713.78 v1(743.31,785.63) R103.1@743.31,857.48 ; VR100.1@-60,1707.13 -60,1615.88 -42.43,1598.31 C105.1@-2.83,1598.31 C104.1@-2.83,1523.31 -97.43,1523.31 -115,1505.73 -115,1310 -95,1290 270,1290
  Bottom Layer w15: v1(365,2715) v1(475,2715) ; v2@1085,2040 v2(1085.31,2039.69) v2(1224.69,2039.69) ; v2(1085.31,2634.69) 1444.69,2634.69 v2(1445,2635)
  Bottom Layer w20: J200.2@-45,3311.85 -43.15,3310 v1(365,3310) v1(635,3310) ; Q100.3@3915,1350 3915,1085 3935,1065 v1(4120,1065)
  Bottom Layer w30: v1(131.56,475) 327.43,475 345,457.43 345,355 390,310 590,310 C110.2@595,305 1055,305 1080,330 1080,695 v1(1075,700) 1080,705 1080,782.43 1097.57,800 1220,800 ; v1(365,2190) v1(635,2190) ; v1(365,3545) v1(795,3545) v1(1190,3545) v1(1420,3545) 1435,3545 ; v1(365,4435) v1(1265,4435) v1(1595,4435) v1@1600,4435 ; v1(635,1695) v2(1225,1695) v2(1429.96,1695.04) ; 1250,875 1285,910 1957.99,910 1958.66,909.33
  other v1: 1200,950 1300,950 1400,950 1500,950 1600,950 1700,950 1800,950 1900,950 2000,950 2100,950 2200,950 2300,950 2400,950 2500,950 2600,950 2700,950 1200,1050 1300,1050 1400,1050 1500,1050 1600,1050 1700,1050 1800,1050 1900,1050 2000,1050 2100,1050 2200,1050 2300,1050 2400,1050 2500,1050 2600,1050 2700,1050 1200,1150 1300,1150 1400,1150 1500,1150 1600,1150 1700,1150 1800,1150 1900,1150 2000,1150 2100,1150 2200,1150 2300,1150 2400,1150 2500,1150 2600,1150 2700,1150 1200,1250 1300,1250 1400,1250 1500,1250 1600,1250 1700,1250 1800,1250 1900,1250 2000,1250 2100,1250 2200,1250 2300,1250 2400,1250 2500,1250 2600,1250 2700,1250 1200,1350 1300,1350 1400,1350 1500,1350 1600,1350 1700,1350 1800,1350 1900,1350 2000,1350 2100,1350 2200,1350 2300,1350 2400,1350 2500,1350 2600,1350 2700,1350
  other v3: 950,400 950,500 1000,500 1000,600 -50,650 50,650 1350,2300 1400,2300 1450,2300 1500,2300 1350,2350 1400,2350 1450,2350 1500,2350 1350,2400 1400,2400 1450,2400 1500,2400 1800,2400 1900,2400 2000,2400 1800,2500 1900,2500 2000,2500 1800,2650 1900,2650 2000,2650 1800,3050 1900,3050 2000,3050 1800,3150 1900,3150 2000,3150
GND: C115.1 J101.2 Q100.2 | length 1471.1
  Top Layer w50: J101.2@4907.48,1840.04 5364.96,1840.04 5405,1800 5405,1076.81 5375.71,1047.52 C115.1@5183.31,1047.52
  other v1: 4000,1400 4050,1400 4000,1450 4050,1450 4050,1500 4150,1500 4250,1500 4350,1500 4450,1500 4550,1500 3850,1550 3950,1550 3850,1600 3950,1600 4050,1600 4150,1600 4250,1600 4350,1600 4450,1600 4550,1600 4450,1700 4550,1700 4650,1700 4750,1700 4850,1700 4950,1700 5050,1700 5150,1700 4450,1800 4550,1800 4650,1800 4750,1800 5050,1800 5150,1800 4350,1900 4450,1900 4550,1900 4650,1900 4750,1900 5050,1900 5150,1900
ISENCE: C301.1 Q305.3 R310.1 R312.1 R315.2 R316.1 R317.2 R318.2 R319.2 | length 1082
  Top Layer w15: R315.2@2770.04,1585 2924.99,1585 2930,1590.01 2930,1634.53 R317.2@2925,1639.53 ; R319.2@2770.04,2591.22 2771.26,2590 2916.21,2590 2925,2581.21 R316.1@2925,2536.22 ; R318.2@2770.04,3715 2911.21,3715 2920,3706.21 2920,3665 R312.1@2925,3660 ; R310.1@3460,1924.96 3460,1650 3485,1625 3630,1625 Q305.3@3635,1630
  other v1: 2500,1750 2600,1750 2700,1750 2800,1750 2900,1750 3000,1750 2500,1850 2600,1850 2700,1850 2800,1850 2900,1850 3000,1850 2500,1950 2600,1950 2700,1950 2800,1950 2900,1950 3000,1950 2500,2050 2600,2050 2700,2050 2800,2050 2900,2050 3000,2050 2500,2150 2600,2150 2700,2150 2800,2150 2900,2150 3000,2150 2500,2350 2600,2350 2700,2350 2800,2350 2900,2350 3000,2350 2500,2450 2600,2450 2700,2450 2800,2450 2900,2450 3000,2450 2500,2500 2600,2500 2700,2500 2500,3500 2600,3500 2700,3500 2800,3500 2900,3500 3000,3500 2500,3600 2600,3600 2700,3600 2800,3600 2900,3600 3000,3600
IU: C302.1 Q303.3 R311.1 R312.2 R313.2 | length 662.6
  Top Layer w15: R313.2@2770.04,3815 2916.21,3815 2925,3823.79 R312.2@2925,3870 ; R311.1@3460,4149.96 3460,3870.79 3468.79,3862 Q303.3@3635,3862
IV: C300.1 Q304.3 R309.1 R314.2 R316.2 | length 689.4
  Top Layer w15: R314.2@2770.04,2691.22 2771.26,2690 2916.21,2690 2925,2698.79 R316.2@2925,2746.22 ; R309.1@3460,3064.96 3460,2765 3479,2746 Q304.3@3635,2746
M-NRST: C208.2 J200.5 R205.1 S200.1 U200.4 | length 3150.9
  Top Layer w15: J200.5@-45,3011.85 -43.15,3010 145,3010 170,2985 v2(170,2135) ; v1(470,3010) S200.1@519.76,3010 523.11,3010 560,3046.89 R205.1@560,3119.69 C208.2@640,3119.69 ; v2(1414.25,2130.75) U200.4@1414.25,2185.63
  Bottom Layer w15: J200.5@-45,3011.85 -43.15,3010 v1(470,3010) ; v2(170,2135) 174.25,2130.75 v2(1414.25,2130.75)
M-SWCLK: J200.4 U200.19 | length 2118.3
  Top Layer w15: v2(1475,3110) 1477.24,3107.76 U200.19@1477.24,2514.37
  Bottom Layer w15: J200.4@-45,3111.85 -42.03,3108.88 1473.88,3108.88 v2(1475,3110)
M-SWDIO: J200.3 U200.18 | length 2253.5
  Top Layer w15: v2(1505,3215) 1508.74,3211.26 U200.18@1508.74,2514.37
  Bottom Layer w15: J200.3@-45,3211.85 -41.85,3215 v2(1505,3215)
MOTOR-A: C207.1 J101.5 Q300.3 Q303.2 R305.1 U200.24 | length 8212.4
  Top Layer w15: C207.1@924.84,2535 924.84,2589.84 v2(925,2590) ; U200.24@1319.76,2514.37 1319.76,2939.76 v2(1320,2940) ; v2(2134.75,2940.25) 2134.75,4696.8 2135,4697.05 2135,4845 2155,4865 3451.21,4865 3460,4856.21 R305.1@3460,4795.04 3763.22,4795.04 3772.01,4786.25 3772.01,4422.99 3775,4420
  Top Layer w100: Q303.2@3635,3962 3977,3962 3980,3965 ; 3980,4361.42 3980,3965 ; J101.5@4907.48,2962.09 4667.91,2962.09 4550,3080 4550,3616.42 4491.42,3675 4038.58,3675 3980,3733.58 3980,3965
  Bottom Layer w15: v2(925,2590) v2(1320,2590) ; v2@1319.76,2939.76 2134.26,2939.76 v2(2134.75,2940.25)
  other v1: 4500,2850 4600,2850 4700,2850 4800,2850 4900,2850 5000,2850 5100,2850 4500,2950 4600,2950 4700,2950 4800,2950 5000,2950 5100,2950 4200,3050 4300,3050 4400,3050 4500,3050 4600,3050 4700,3050 4800,3050 4900,3050 5000,3050 5100,3050 4200,3150 4300,3150 4400,3150 4500,3150 4600,3150 4200,3250 4300,3250 4400,3250 4500,3250 4600,3250 4600,3400 4600,3500 4200,3600 4300,3600 4400,3600 4500,3600 4600,3600 3800,3700 3900,3700 4000,3700 4100,3700 4200,3700 4300,3700 4400,3700 4500,3700 4600,3700 4700,3700 3800,3800 3900,3800 4000,3800 4100,3800 4200,3800 4300,3800 4400,3800 4500,3800 4600,3800 4700,3800 3800,3900 3900,3900 4000,3900 4100,3900 4500,3900 4600,3900 4700,3900 3800,4000 3900,4000 4000,4000 4100,4000 4500,4000 4600,4000 4700,4000 3800,4100 3900,4100 4000,4100 4100,4100 4200,4100 4300,4100 4400,4100 4500,4100 4600,4100 4700,4100 3800,4200 3900,4200 4000,4200 4100,4200 4200,4200 4300,4200 4400,4200 4500,4200 4600,4200 4700,4200 3800,4300 3900,4300 4000,4300 4100,4300 4200,4300 4300,4300 4400,4300 4500,4300 4600,4300 4700,4300 3800,4400 3900,4400 4000,4400 4100,4400
MOTOR-B: C206.1 J101.4 Q301.3 Q304.2 R303.1 U200.27 | length 6582.7
  Top Layer w15: C206.1@924.84,2350 925,2350.16 v2(925,2395) ; v2(1155,2395) v2@1155,2397.24 ; v2(1155,2775) v2@1155,2397.24 ; U200.27@1265.63,2397.24 v2@1155,2397.24 ; v2(2295,2775) 2295,3390 2315,3410 3146.21,3410 3155,3418.79 3155,3691.21 3163.79,3700 3451.21,3700 3460,3691.21 R303.1@3460,3650.04 3753.61,3650.04 3810,3593.65 3810,3300
  Top Layer w100: Q304.2@3635,2846 4036,2846 4040,2850 ; 4040,3245.42 4040,2850 ; J101.4@4907.48,2588.07 4098.58,2588.07 4040,2646.65 4040,2850
  Bottom Layer w15: v2(925,2395) v2(1155,2395) ; v2(1155,2775) v2(2295,2775)
  other v1: 3850,2500 3950,2500 4050,2500 4150,2500 4250,2500 4350,2500 4450,2500 4550,2500 4650,2500 4750,2500 4900,2500 5000,2500 5150,2500 3750,2600 3850,2600 3950,2600 4050,2600 4150,2600 4250,2600 4350,2600 4450,2600 4550,2600 4650,2600 4750,2600 5000,2600 5100,2600 3750,2700 3850,2700 3950,2700 4050,2700 4150,2700 4250,2700 4350,2700 4450,2700 4550,2700 4650,2700 4750,2700 4900,2700 5000,2700 5100,2700 3750,2800 3850,2800 3950,2800 4050,2800 3750,2900 3850,2900 3950,2900 4050,2900 3750,3000 3850,3000 3950,3000 4050,3000 3750,3100 3850,3100 3950,3100 4050,3100 3750,3200 3850,3200 3950,3200 4050,3200 3750,3300 3850,3300 3950,3300 4050,3300